# KiCad board Engine.kicad_pcb (continued)
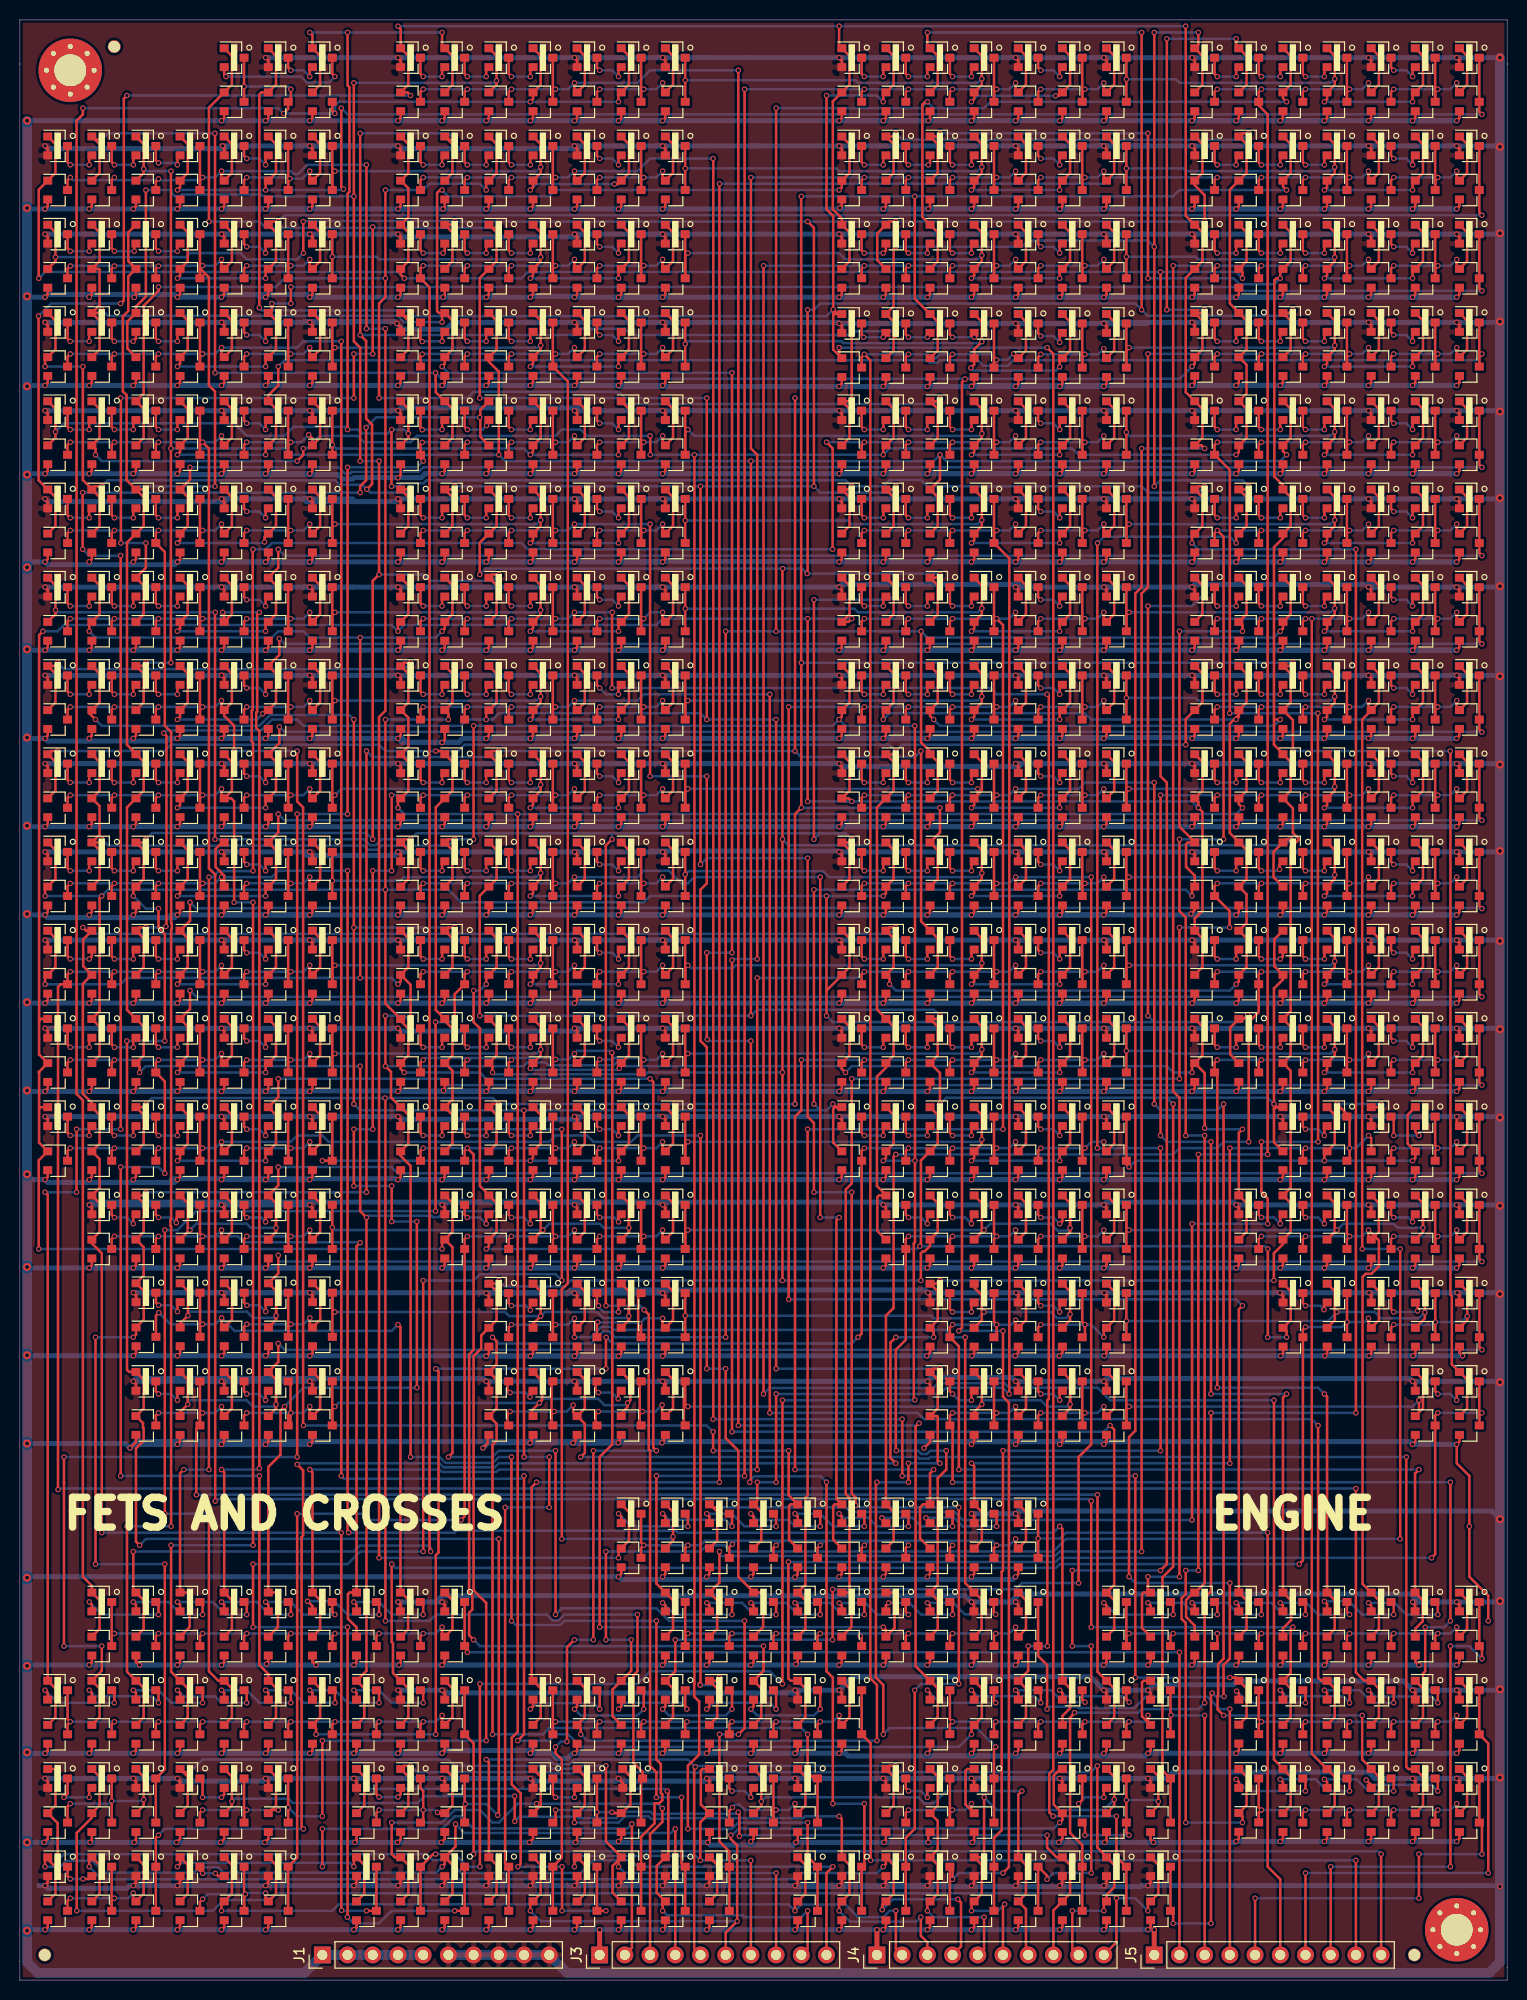
[diagram p0: board, top side]
## Routing (per net, layer and track width the routed paths; a pad name or vN(x,y) marks a point on that pad's centre or on a via; arc(x,y) is an arc through that point) (continued)
  Bottom w0.25: v1(20.32,38.1) 23.88,38.1 25.15,36.83 v1(27.3,36.83)
Net-(Q225-Pad3): length 10
  Top w0.25: Q229.2 16.15,37.83 v1(15.87,38.1) ; Q225.3 22.86,37.83 v1(22.86,36.83)
  Bottom w0.25: v1(15.87,38.1) 19.43,38.1 20.7,36.83 v1(22.86,36.83)
Net-(Q229-Pad3): length 10
  Top w0.25: v1(11.43,38.1) 11.7,37.83 Q230.2 ; Q229.3 18.41,37.83 v1(18.41,36.83)
  Bottom w0.25: v1(11.43,38.1) 14.99,38.1 16.26,36.83 v1(18.41,36.83)
Net-(Q230-Pad3): length 10
  Top w0.25: v1(6.99,38.1) 7.26,37.83 Q231.2 ; Q230.3 13.97,37.83 v1(13.97,36.83)
  Bottom w0.25: v1(6.99,38.1) 8.26,36.83 v1(13.97,36.83)
Net-(Q240-Pad3): length 6
  Top w0.25: v1(138.43,76.83) 138.16,77.1 Q240.3 ; 140.33,76.88 Q241.2 140.33,76.88 ; 140.33,76.88 v1(140.33,76.39)
  Bottom w0.25: 139.7,76.83 v1(138.43,76.83) 139.89,76.83 v1(140.33,76.39)
Net-(Q245-Pad3): length 4.6
  Top w0.25: v1(125.1,76.83) 124.83,77.1 Q245.3 ; Q246.2 127,76.88 v1(127,76.2)
  Bottom w0.25: v1(127,76.2) 126.36,76.83 v1(125.1,76.83)
Net-(Q246-Pad3): length 4.6
  Top w0.25: v1(129.54,76.83) 129.27,77.1 Q246.3 ; Q247.2 131.44,76.88 v1(131.44,76.2)
  Bottom w0.25: v1(131.44,76.2) 130.81,76.83 v1(129.54,76.83)
Net-(Q252-Pad3): length 6
  Top w0.25: v1(22.86,76.83) 22.59,77.1 Q252.3 ; 24.77,76.88 Q253.2 24.77,76.88 ; 24.77,76.88 v1(24.77,76.39)
  Bottom w0.25: 24.13,76.83 v1(22.86,76.83) 24.32,76.83 v1(24.77,76.39)
Net-(Q257-Pad3): length 4.6
  Top w0.25: v1(9.53,76.83) 9.26,77.1 Q257.3 ; Q258.2 11.43,76.88 v1(11.43,76.2)
  Bottom w0.25: v1(11.43,76.2) 10.79,76.83 v1(9.53,76.83)
Net-(Q258-Pad3): length 4.4
  Top w0.25: v1(13.97,76.83) 13.7,77.1 Q258.3 ; v1(15.77,76.31) 15.77,76.78 Q259.2
  Bottom w0.25: v1(15.77,76.31) 15.24,76.83 v1(13.97,76.83)
Net-(Q264-Pad3): length 6
  Top w0.25: v1(58.42,76.83) 58.15,77.1 Q264.3 ; 60.32,76.88 Q265.2 60.32,76.88 ; 60.32,76.88 v1(60.32,76.39)
  Bottom w0.25: 59.69,76.83 v1(58.42,76.83) 59.88,76.83 v1(60.32,76.39)
Net-(Q269-Pad3): length 4.6
  Top w0.25: v1(46.99,76.2) 46.99,76.88 Q270.2 ; v1(45.09,76.83) 44.81,77.1 Q269.3
  Bottom w0.25: v1(45.09,76.83) 46.35,76.83 v1(46.99,76.2)
Net-(Q270-Pad3): length 4.6
  Top w0.25: v1(51.43,76.2) 51.43,76.88 Q271.2 ; v1(49.53,76.83) 49.26,77.1 Q270.3
  Bottom w0.25: v1(51.43,76.2) 50.8,76.83 v1(49.53,76.83)
Net-(Q276-Pad3): length 5.4
  Top w0.25: v1(102.87,76.83) 102.6,77.1 Q276.3 ; Q277.2 104.78,76.88 Q277.2 ; Q277.2 105.05,76.47 v1(104.78,76.2)
  Bottom w0.25: v1(104.78,76.2) 104.14,76.83 v1(102.87,76.83)
Net-(Q281-Pad3): length 4.6
  Top w0.25: v1(89.54,76.83) 89.27,77.1 Q281.3 ; Q282.2 91.44,76.88 v1(91.44,76.2)
  Bottom w0.25: v1(91.44,76.2) 90.81,76.83 v1(89.54,76.83)
Net-(Q282-Pad3): length 4.6
  Top w0.25: v1(93.98,76.83) 93.71,77.1 Q282.3 ; Q283.2 95.89,76.88 v1(95.89,76.2)
  Bottom w0.25: v1(95.89,76.2) 95.25,76.83 v1(93.98,76.83)
Net-(Q288-Pad3): length 4.6
  Top w0.25: v1(24.78,67.35) 24.78,68.03 Q289.2 ; Q288.3 22.6,68.25 v1(22.87,67.98)
  Bottom w0.25: v1(22.87,67.98) 24.14,67.98 v1(24.78,67.35)
Net-(Q292-Pad3): length 4.6
  Top w0.25: v1(15.89,67.35) 15.89,68.03 Q293.2 ; Q292.3 13.71,68.26 v1(13.98,67.99)
  Bottom w0.25: v1(15.89,67.35) 15.24,67.99 v1(13.98,67.99)
Net-(Q298-Pad3): length 4.8
  Top w0.25: v1(60.32,67.31) 60.32,67.99 Q299.2 ; Q298.3 58.15,68.1 v1(58.3,67.94)
  Bottom w0.25: v1(58.3,67.94) 58.3,67.81 58.8,67.31 v1(60.32,67.31)
Net-(Q302-Pad3): length 4.3
  Top w0.25: Q302.3 49.26,68.21 v1(49.53,67.94) ; v1(51.43,67.5) 51.43,67.99 Q303.2
  Bottom w0.25: v1(51.43,67.5) 50.99,67.94 v1(49.53,67.94)
Net-(Q308-Pad3): length 4.6
  Top w0.25: v1(104.78,67.31) 104.78,67.99 Q309.2 ; Q308.3 102.6,68.21 v1(102.87,67.94)
  Bottom w0.25: v1(102.87,67.94) 104.14,67.94 v1(104.78,67.31)
Net-(Q312-Pad3): length 5
  Top w0.25: v1(93.98,67.31) 93.71,67.58 Q312.3 ; v1(95.89,67.31) 95.89,67.99 Q313.2
  Bottom w0.25: v1(93.98,67.31) v1(95.89,67.31)
Net-(Q318-Pad3): length 5.4
  Top w0.25: v1(138.43,67.31) 138.17,67.57 Q318.3 ; Q319.2 140.83,68.05 v1(140.83,67.42)
  Bottom w0.25: v1(138.43,67.31) 140.72,67.31 v1(140.83,67.42)
Net-(Q322-Pad3): length 4.3
  Top w0.25: Q323.2 131.41,67.95 v1(131.41,67.55) ; v1(129.54,67.94) 129.28,68.2 Q322.3
  Bottom w0.25: v1(129.54,67.94) 131.01,67.94 v1(131.41,67.55)
Net-(Q328-Pad3): length 4.6
  Top w0.25: v1(24.77,58.42) 24.77,59.1 Q329.2 ; Q328.3 22.59,59.32 v1(22.86,59.05)
  Bottom w0.25: v1(22.86,59.05) 24.13,59.05 v1(24.77,58.42)
Net-(Q332-Pad3): length 4.6
  Top w0.25: v1(15.87,58.42) 15.87,59.1 Q333.2 ; Q332.3 13.7,59.32 v1(13.97,59.05)
  Bottom w0.25: v1(13.97,59.05) 15.24,59.05 v1(15.87,58.42)
Net-(Q338-Pad3): length 4.6
  Top w0.25: v1(104.78,58.42) 104.78,59.1 Q339.2 ; Q338.3 102.6,59.32 v1(102.87,59.05)
  Bottom w0.25: v1(102.87,59.05) 104.14,59.05 v1(104.78,58.42)
Net-(Q342-Pad3): length 4.6
  Top w0.25: v1(95.89,58.42) 95.89,59.1 Q343.2 ; Q342.3 93.71,59.32 v1(93.98,59.05)
  Bottom w0.25: v1(95.89,58.42) 94.62,58.42 v1(93.98,59.05)
Net-(Q348-Pad3): length 4.7
  Top w0.25: 58.02,60.46 58.02,59.46 v1(58.29,59.19) ; v1(60.29,58.56) 60.29,59.35 60.46,59.51
  Bottom w0.25: v1(60.29,58.56) 59.66,59.19 v1(58.29,59.19)
Net-(Q352-Pad3): length 4.4
  Top w0.25: v1(49.4,59.19) 49.13,59.46 49.13,60.46 ; 51.57,59.51 51.4,59.35 v1(51.4,58.75)
  Bottom w0.25: v1(49.4,59.19) 50.96,59.19 v1(51.4,58.75)
Net-(Q356-Pad3): length 4.6
  Top w0.25: v1(142.88,59.05) 142.6,59.32 Q356.3 ; Q357.2 144.78,59.1 v1(144.78,58.42)
  Bottom w0.25: v1(144.78,58.42) 144.14,59.05 v1(142.88,59.05)
Net-(Q361-Pad3): length 5
  Top w0.25: v1(6.99,85.09) 6.99,85.77 Q362.2 ; Q361.3 4.81,85.36 v1(5.08,85.09)
  Bottom w0.25: v1(5.08,85.09) v1(6.99,85.09)
Net-(Q362-Pad3): length 5
  Top w0.25: v1(11.43,85.09) 11.43,85.77 Q363.2 ; Q362.3 9.26,85.36 v1(9.53,85.09)
  Bottom w0.25: v1(9.53,85.09) v1(11.43,85.09)
Net-(Q363-Pad3): length 5
  Top w0.25: v1(15.87,85.09) 15.87,85.77 Q364.2 ; Q363.3 13.7,85.36 v1(13.97,85.09)
  Bottom w0.25: v1(13.97,85.09) v1(15.87,85.09)
Net-(Q370-Pad3): length 4.6
  Top w0.25: v1(22.86,85.72) 22.59,85.99 Q370.3 ; Q371.2 24.77,85.77 v1(24.77,85.09)
  Bottom w0.25: v1(24.77,85.09) 24.13,85.72 v1(22.86,85.72)
Net-(Q375-Pad3): length 5
  Top w0.25: v1(42.54,85.09) 42.54,85.77 Q376.2 ; Q375.3 40.37,85.36 v1(40.64,85.09)
  Bottom w0.25: v1(40.64,85.09) v1(42.54,85.09)
Net-(Q376-Pad3): length 5
  Top w0.25: v1(46.99,85.09) 46.99,85.77 Q377.2 ; Q376.3 44.81,85.36 v1(45.09,85.09)
  Bottom w0.25: v1(45.09,85.09) v1(46.99,85.09)
Net-(Q377-Pad3): length 5
  Top w0.25: v1(51.43,85.09) 51.43,85.77 Q378.2 ; Q377.3 49.26,85.36 v1(49.53,85.09)
  Bottom w0.25: v1(49.53,85.09) v1(51.43,85.09)
Net-(Q384-Pad3): length 4.6
  Top w0.25: v1(58.42,85.72) 58.15,85.99 Q384.3 ; Q385.2 60.32,85.77 v1(60.32,85.09)
  Bottom w0.25: v1(60.32,85.09) 59.69,85.72 v1(58.42,85.72)
Net-(Q389-Pad3): length 5
  Top w0.25: v1(87,85.09) 87,85.77 Q390.2 ; Q389.3 84.82,85.36 v1(85.09,85.09)
  Bottom w0.25: v1(85.09,85.09) v1(87,85.09)
Net-(Q390-Pad3): length 5
  Top w0.25: v1(91.44,85.09) 91.44,85.77 Q391.2 ; Q390.3 89.27,85.36 v1(89.54,85.09)
  Bottom w0.25: v1(89.54,85.09) v1(91.44,85.09)
Net-(Q391-Pad3): length 5
  Top w0.25: v1(95.89,85.09) 95.89,85.77 Q392.2 ; Q391.3 93.71,85.36 v1(93.98,85.09)
  Bottom w0.25: v1(93.98,85.09) v1(95.89,85.09)
Net-(Q398-Pad3): length 4.6
  Top w0.25: v1(102.87,85.72) 102.6,85.99 Q398.3 ; Q399.2 104.78,85.77 v1(104.78,85.09)
  Bottom w0.25: v1(104.78,85.09) 104.14,85.72 v1(102.87,85.72)
Net-(Q404-Pad3): length 5.7
  Top w0.25: Q405.2 140.6,85.45 v1(140.97,85.09) ; Q404.3 138.43,86.72 v1(138.43,85.09)
  Bottom w0.25: v1(140.97,85.09) v1(138.43,85.09)
Net-(Q408-Pad3): length 4.6
  Top w0.25: v1(129.54,85.72) 129.27,85.99 Q408.3 ; Q409.2 131.44,85.77 v1(131.44,85.09)
  Bottom w0.25: v1(129.54,85.72) 130.81,85.72 v1(131.44,85.09)
Net-(Q413-Pad3): length 5
  Top w0.25: v1(87,102.87) 87,103.55 Q414.2 ; Q413.3 84.82,103.14 v1(85.09,102.87)
  Bottom w0.25: v1(85.09,102.87) v1(87,102.87)
Net-(Q414-Pad3): length 5
  Top w0.25: v1(91.44,102.87) 91.44,103.55 Q415.2 ; Q414.3 89.27,103.14 v1(89.54,102.87)
  Bottom w0.25: v1(89.54,102.87) v1(91.44,102.87)
Net-(Q415-Pad3): length 5
  Top w0.25: v1(95.89,102.87) 95.89,103.55 Q416.2 ; Q415.3 93.71,103.14 v1(93.98,102.87)
  Bottom w0.25: v1(93.98,102.87) v1(95.89,102.87)
Net-(Q422-Pad3): length 4.6
  Top w0.25: v1(102.87,103.5) 102.6,103.77 Q422.3 ; Q423.2 104.78,103.55 v1(104.78,102.87)
  Bottom w0.25: v1(104.78,102.87) 104.14,103.5 v1(102.87,103.5)
Net-(Q427-Pad3): length 5
  Top w0.25: v1(122.55,102.87) 122.55,103.55 Q428.2 ; Q427.3 120.38,103.14 v1(120.65,102.87)
  Bottom w0.25: v1(120.65,102.87) v1(122.55,102.87)
Net-(Q428-Pad3): length 5
  Top w0.25: Q428.3 124.83,103.14 v1(125.1,102.87) ; v1(127,102.87) 127.27,103.14 Q429.2
  Bottom w0.25: v1(125.1,102.87) v1(127,102.87)
Net-(Q429-Pad3): length 5
  Top w0.25: v1(131.44,102.87) 131.44,103.55 Q430.2 ; Q429.3 129.27,103.14 v1(129.54,102.87)
  Bottom w0.25: v1(129.54,102.87) v1(131.44,102.87)
Net-(Q436-Pad3): length 4.6
  Top w0.25: v1(138.43,103.5) 138.16,103.77 Q436.3 ; Q437.2 140.33,103.55 v1(140.33,102.87)
  Bottom w0.25: v1(140.33,102.87) 139.7,103.5 v1(138.43,103.5)
Net-(Q441-Pad3): length 5
  Top w0.25: v1(6.99,93.98) 6.99,94.66 Q442.2 ; Q441.3 4.81,94.25 v1(5.08,93.98)
  Bottom w0.25: v1(5.08,93.98) v1(6.99,93.98)
Net-(Q442-Pad3): length 5
  Top w0.25: v1(11.43,93.98) 11.43,94.66 Q443.2 ; Q442.3 9.26,94.25 v1(9.53,93.98)
  Bottom w0.25: v1(9.53,93.98) v1(11.43,93.98)
Net-(Q443-Pad3): length 5
  Top w0.25: v1(15.87,93.98) 15.87,94.66 Q444.2 ; Q443.3 13.7,94.25 v1(13.97,93.98)
  Bottom w0.25: v1(13.97,93.98) v1(15.87,93.98)
Net-(Q450-Pad3): length 4.6
  Top w0.25: v1(22.86,94.61) 22.59,94.88 Q450.3 ; Q451.2 24.77,94.66 v1(24.77,93.98)
  Bottom w0.25: v1(24.77,93.98) 24.13,94.61 v1(22.86,94.61)
Net-(Q455-Pad3): length 5
  Top w0.25: v1(42.54,93.98) 42.54,94.66 Q456.2 ; Q455.3 40.37,94.25 v1(40.64,93.98)
  Bottom w0.25: v1(40.64,93.98) v1(42.54,93.98)
Net-(Q456-Pad3): length 5
  Top w0.25: v1(46.99,93.98) 46.99,94.66 Q457.2 ; Q456.3 44.81,94.25 v1(45.09,93.98)
  Bottom w0.25: v1(45.09,93.98) v1(46.99,93.98)
Net-(Q457-Pad3): length 5
  Top w0.25: v1(51.43,93.98) 51.43,94.66 Q458.2 ; Q457.3 49.26,94.25 v1(49.53,93.98)
  Bottom w0.25: v1(49.53,93.98) v1(51.43,93.98)
Net-(Q464-Pad3): length 4.6
  Top w0.25: v1(58.42,94.61) 58.15,94.88 Q464.3 ; Q465.2 60.32,94.66 v1(60.32,93.98)
  Bottom w0.25: v1(60.32,93.98) 59.69,94.61 v1(58.42,94.61)
Net-(Q469-Pad3): length 5
  Top w0.25: v1(87,93.98) 87,94.66 Q470.2 ; Q469.3 84.82,94.25 v1(85.09,93.98)
  Bottom w0.25: v1(85.09,93.98) v1(87,93.98)
Net-(Q470-Pad3): length 5
  Top w0.25: v1(91.44,93.98) 91.44,94.66 Q471.2 ; Q470.3 89.27,94.25 v1(89.54,93.98)
  Bottom w0.25: v1(89.54,93.98) v1(91.44,93.98)
Net-(Q471-Pad3): length 5
  Top w0.25: v1(95.89,93.98) 95.89,94.66 Q472.2 ; Q471.3 93.71,94.25 v1(93.98,93.98)
  Bottom w0.25: v1(93.98,93.98) v1(95.89,93.98)
Net-(Q478-Pad3): length 4.6
  Top w0.25: v1(102.87,94.61) 102.6,94.88 Q478.3 ; Q479.2 104.78,94.66 v1(104.78,93.98)
  Bottom w0.25: v1(104.78,93.98) 104.14,94.61 v1(102.87,94.61)
Net-(Q483-Pad3): length 5
  Top w0.25: v1(122.55,93.98) 122.55,94.66 Q484.2 ; Q483.3 120.38,94.25 v1(120.65,93.98)
  Bottom w0.25: v1(120.65,93.98) v1(122.55,93.98)
Net-(Q484-Pad3): length 5
  Top w0.25: v1(127,93.98) 127,94.66 Q485.2 ; Q484.3 124.83,94.25 v1(125.1,93.98)
  Bottom w0.25: v1(125.1,93.98) v1(127,93.98)
Net-(Q485-Pad3): length 5
  Top w0.25: v1(131.44,93.98) 131.44,94.66 Q486.2 ; Q485.3 129.27,94.25 v1(129.54,93.98)
  Bottom w0.25: v1(129.54,93.98) v1(131.44,93.98)
Net-(Q492-Pad3): length 4.6
  Top w0.25: v1(138.43,94.61) 138.16,94.88 Q492.3 ; Q493.2 140.33,94.66 v1(140.33,93.98)
  Bottom w0.25: v1(140.33,93.98) 139.7,94.61 v1(138.43,94.61)
Net-(Q497-Pad3): length 5
  Top w0.25: v1(87,120.65) 87,121.33 Q498.2 ; Q497.3 84.82,120.92 v1(85.09,120.65)
  Bottom w0.25: v1(85.09,120.65) v1(87,120.65)
Net-(Q498-Pad3): length 5
  Top w0.25: v1(91.44,120.65) 91.44,121.33 Q499.2 ; Q498.3 89.27,120.92 v1(89.54,120.65)
  Bottom w0.25: v1(89.54,120.65) v1(91.44,120.65)
Net-(Q499-Pad3): length 5
  Top w0.25: v1(95.89,120.65) 95.89,121.33 Q500.2 ; Q499.3 93.71,120.92 v1(93.98,120.65)
  Bottom w0.25: v1(93.98,120.65) v1(95.89,120.65)
Net-(Q506-Pad3): length 4.6
  Top w0.25: v1(102.87,121.28) 102.6,121.55 Q506.3 ; Q507.2 104.78,121.33 v1(104.78,120.65)
  Bottom w0.25: v1(104.78,120.65) 104.14,121.28 v1(102.87,121.28)
Net-(Q511-Pad3): length 5
  Top w0.25: v1(122.55,120.65) 122.55,121.33 Q512.2 ; Q511.3 120.38,120.92 v1(120.65,120.65)
  Bottom w0.25: v1(120.65,120.65) v1(122.55,120.65)
Net-(Q512-Pad3): length 5
  Top w0.25: v1(127,120.65) 127,121.33 Q513.2 ; Q512.3 124.83,120.92 v1(125.1,120.65)
  Bottom w0.25: v1(125.1,120.65) v1(127,120.65)
Net-(Q513-Pad3): length 5
  Top w0.25: v1(131.44,120.65) 131.44,121.33 Q514.2 ; Q513.3 129.27,120.92 v1(129.54,120.65)
  Bottom w0.25: v1(129.54,120.65) v1(131.44,120.65)
Net-(Q520-Pad3): length 4.6
  Top w0.25: v1(138.43,121.28) 138.16,121.55 Q520.3 ; Q521.2 140.33,121.33 v1(140.33,120.65)
  Bottom w0.25: v1(140.33,120.65) 139.7,121.28 v1(138.43,121.28)
Net-(Q525-Pad3): length 5
  Top w0.25: v1(42.54,111.76) 42.54,112.44 Q526.2 ; Q525.3 40.37,112.03 v1(40.64,111.76)
  Bottom w0.25: v1(40.64,111.76) v1(42.54,111.76)
Net-(Q526-Pad3): length 5
  Top w0.25: v1(46.99,111.76) 46.99,112.44 Q527.2 ; Q526.3 44.81,112.03 v1(45.09,111.76)
  Bottom w0.25: v1(45.09,111.76) v1(46.99,111.76)
Net-(Q527-Pad3): length 5
  Top w0.25: v1(51.43,111.76) 51.43,112.44 Q528.2 ; Q527.3 49.26,112.03 v1(49.53,111.76)
  Bottom w0.25: v1(49.53,111.76) v1(51.43,111.76)
Net-(Q534-Pad3): length 4.6
  Top w0.25: v1(58.42,112.39) 58.15,112.66 Q534.3 ; Q535.2 60.32,112.44 v1(60.32,111.76)
  Bottom w0.25: v1(60.32,111.76) 59.69,112.39 v1(58.42,112.39)
Net-(Q539-Pad3): length 5
  Top w0.25: v1(87,111.76) 87,112.44 Q540.2 ; Q539.3 84.82,112.03 v1(85.09,111.76)
  Bottom w0.25: v1(85.09,111.76) v1(87,111.76)
Net-(Q540-Pad3): length 5
  Top w0.25: v1(91.44,111.76) 91.44,112.44 Q541.2 ; Q540.3 89.27,112.03 v1(89.54,111.76)
  Bottom w0.25: v1(89.54,111.76) v1(91.44,111.76)
Net-(Q541-Pad3): length 5
  Top w0.25: v1(95.89,111.76) 95.89,112.44 Q542.2 ; Q541.3 93.71,112.03 v1(93.98,111.76)
  Bottom w0.25: v1(93.98,111.76) v1(95.89,111.76)
Net-(Q548-Pad3): length 4.6
  Top w0.25: v1(102.87,112.39) 102.6,112.66 Q548.3 ; Q549.2 104.78,112.44 v1(104.78,111.76)
  Bottom w0.25: v1(104.78,111.76) 104.14,112.39 v1(102.87,112.39)
Net-(Q553-Pad3): length 5
  Top w0.25: Q553.3 4.81,103.14 v1(5.08,102.87) ; v1(6.98,102.87) 7.26,103.14 Q554.2
  Bottom w0.25: v1(6.98,102.87) 6.98,102.87 v1(5.08,102.87)
Net-(Q554-Pad3): length 5
  Top w0.25: v1(11.43,102.87) 11.43,103.55 Q555.2 ; Q554.3 9.26,103.14 v1(9.53,102.87)
  Bottom w0.25: v1(9.53,102.87) v1(11.43,102.87)
Net-(Q555-Pad3): length 5
  Top w0.25: v1(15.87,102.87) 15.87,103.55 Q556.2 ; Q555.3 13.7,103.14 v1(13.97,102.87)
  Bottom w0.25: v1(13.97,102.87) v1(15.87,102.87)
Net-(Q562-Pad3): length 4.6
  Top w0.25: v1(22.86,103.5) 22.59,103.77 Q562.3 ; Q563.2 24.77,103.55 v1(24.77,102.87)
  Bottom w0.25: v1(24.77,102.87) 24.13,103.5 v1(22.86,103.5)
Net-(Q567-Pad3): length 5
  Top w0.25: v1(42.54,102.87) 42.54,103.55 Q568.2 ; Q567.3 40.37,103.14 v1(40.64,102.87)
  Bottom w0.25: v1(40.64,102.87) v1(42.54,102.87)
Net-(Q568-Pad3): length 5
  Top w0.25: v1(46.99,102.87) 46.99,103.55 Q569.2 ; Q568.3 44.81,103.14 v1(45.09,102.87)
  Bottom w0.25: v1(45.09,102.87) v1(46.99,102.87)
Net-(Q569-Pad3): length 5
  Top w0.25: v1(51.43,102.87) 51.43,103.55 Q570.2 ; Q569.3 49.26,103.14 v1(49.53,102.87)
  Bottom w0.25: v1(49.53,102.87) v1(51.43,102.87)
Net-(Q576-Pad3): length 4.6
  Top w0.25: v1(58.42,103.5) 58.15,103.77 Q576.3 ; Q577.2 60.32,103.55 v1(60.32,102.87)
  Bottom w0.25: v1(60.32,102.87) 59.69,103.5 v1(58.42,103.5)
Net-(Q581-Pad3): length 5
  Top w0.25: v1(6.99,111.76) 6.99,112.44 Q582.2 ; Q581.3 4.81,112.03 v1(5.08,111.76)
  Bottom w0.25: v1(5.08,111.76) v1(6.99,111.76)
Net-(Q582-Pad3): length 5
  Top w0.25: v1(11.43,111.76) 11.43,112.44 Q583.2 ; Q582.3 9.26,112.03 v1(9.53,111.76)
  Bottom w0.25: v1(9.53,111.76) v1(11.43,111.76)
Net-(Q583-Pad3): length 5
  Top w0.25: v1(15.87,111.76) 15.87,112.44 Q584.2 ; Q583.3 13.7,112.03 v1(13.97,111.76)
  Bottom w0.25: v1(13.97,111.76) v1(15.87,111.76)
Net-(Q590-Pad3): length 4.6
  Top w0.25: v1(22.86,112.39) 22.59,112.66 Q590.3 ; Q591.2 24.77,112.44 v1(24.77,111.76)
  Bottom w0.25: v1(24.77,111.76) 24.13,112.39 v1(22.86,112.39)
Net-(Q595-Pad3): length 5
  Top w0.25: v1(122.55,111.76) 122.55,112.44 Q596.2 ; Q595.3 120.38,112.03 v1(120.65,111.76)
  Bottom w0.25: v1(120.65,111.76) v1(122.55,111.76)
Net-(Q596-Pad3): length 4.9
  Top w0.25: Q596.3 124.83,112.03 v1(125.1,111.76) ; v1(126.92,111.9) 126.92,112.37 Q597.2
  Bottom w0.25: v1(126.92,111.9) 126.79,111.76 v1(125.1,111.76)
Net-(Q597-Pad3): length 5
  Top w0.25: v1(131.44,111.76) 131.44,112.44 Q598.2 ; Q597.3 129.27,112.03 v1(129.54,111.76)
  Bottom w0.25: v1(129.54,111.76) v1(131.44,111.76)
Net-(Q604-Pad3): length 4.6
  Top w0.25: v1(138.43,112.39) 138.16,112.66 Q604.3 ; Q605.2 140.33,112.44 v1(140.33,111.76)
  Bottom w0.25: v1(140.33,111.76) 139.7,112.39 v1(138.43,112.39)
Net-(Q609-Pad3): length 5
  Top w0.25: v1(42.54,120.65) 42.54,121.33 Q610.2 ; Q609.3 40.37,120.92 v1(40.64,120.65)
  Bottom w0.25: v1(40.64,120.65) v1(42.54,120.65)
Net-(Q610-Pad3): length 5
  Top w0.25: v1(46.99,120.65) 46.99,121.33 Q611.2 ; Q610.3 44.81,120.92 v1(45.09,120.65)
  Bottom w0.25: v1(45.09,120.65) v1(46.99,120.65)
Net-(Q611-Pad3): length 5
  Top w0.25: v1(51.43,120.65) 51.43,121.33 Q612.2 ; Q611.3 49.26,120.92 v1(49.53,120.65)
  Bottom w0.25: v1(49.53,120.65) v1(51.43,120.65)
Net-(Q618-Pad3): length 4.6
  Top w0.25: v1(58.42,121.28) 58.15,121.55 Q618.3 ; Q619.2 60.32,121.33 v1(60.32,120.65)
  Bottom w0.25: v1(60.32,120.65) 59.69,121.28 v1(58.42,121.28)
Net-(Q623-Pad3): length 5
  Top w0.25: v1(6.99,138.43) 6.99,139.12 Q624.2 ; Q623.3 4.81,138.7 v1(5.08,138.43)
  Bottom w0.25: v1(5.08,138.43) v1(6.99,138.43)
Net-(Q624-Pad3): length 5
  Top w0.25: v1(11.43,138.43) 11.43,139.12 Q625.2 ; Q624.3 9.26,138.7 v1(9.53,138.43)
  Bottom w0.25: v1(9.53,138.43) v1(11.43,138.43)
Net-(Q625-Pad3): length 5
  Top w0.25: v1(15.87,138.43) 15.87,139.12 Q626.2 ; Q625.3 13.7,138.7 v1(13.97,138.43)
  Bottom w0.25: v1(13.97,138.43) v1(15.87,138.43)
Net-(Q632-Pad3): length 4.6
  Top w0.25: v1(22.86,139.06) 22.59,139.33 Q632.3 ; Q633.2 24.77,139.12 v1(24.77,138.43)
  Bottom w0.25: v1(24.77,138.43) 24.13,139.06 v1(22.86,139.06)
Net-(Q637-Pad3): length 5
  Top w0.25: v1(42.54,138.43) 42.54,139.12 Q638.2 ; Q637.3 40.37,138.7 v1(40.64,138.43)
  Bottom w0.25: v1(40.64,138.43) v1(42.54,138.43)
Net-(Q638-Pad3): length 5
  Top w0.25: v1(46.99,138.43) 46.99,139.12 Q639.2 ; Q638.3 44.81,138.7 v1(45.09,138.43)
  Bottom w0.25: v1(45.09,138.43) v1(46.99,138.43)
Net-(Q639-Pad3): length 5
  Top w0.25: v1(51.43,138.43) 51.43,139.12 Q640.2 ; Q639.3 49.26,138.7 v1(49.53,138.43)
  Bottom w0.25: v1(49.53,138.43) v1(51.43,138.43)
Net-(Q646-Pad3): length 4.6
  Top w0.25: v1(58.42,139.06) 58.15,139.33 Q646.3 ; Q647.2 60.32,139.12 v1(60.32,138.43)
  Bottom w0.25: v1(60.32,138.43) 59.69,139.06 v1(58.42,139.06)
Net-(Q651-Pad3): length 5
  Top w0.25: v1(87,138.43) 87,139.12 Q652.2 ; Q651.3 84.82,138.7 v1(85.09,138.43)
  Bottom w0.25: v1(85.09,138.43) v1(87,138.43)
Net-(Q652-Pad3): length 5
  Top w0.25: v1(91.44,138.43) 91.44,139.12 Q653.2 ; Q652.3 89.27,138.7 v1(89.54,138.43)
  Bottom w0.25: v1(89.54,138.43) v1(91.44,138.43)
Net-(Q653-Pad3): length 5
  Top w0.25: v1(95.89,138.43) 95.89,139.12 Q654.2 ; Q653.3 93.71,138.7 v1(93.98,138.43)
  Bottom w0.25: v1(93.98,138.43) v1(95.89,138.43)
Net-(Q660-Pad3): length 4.6
  Top w0.25: v1(102.87,139.06) 102.6,139.33 Q660.3 ; Q661.2 104.78,139.12 v1(104.78,138.43)
  Bottom w0.25: v1(104.78,138.43) 104.14,139.06 v1(102.87,139.06)
Net-(Q665-Pad3): length 5
  Top w0.25: v1(122.55,138.43) 122.55,139.12 Q666.2 ; Q665.3 120.38,138.7 v1(120.65,138.43)
  Bottom w0.25: v1(120.65,138.43) v1(122.55,138.43)
Net-(Q666-Pad3): length 5
  Top w0.25: v1(127,138.43) 127,139.12 Q667.2 ; Q666.3 124.83,138.7 v1(125.1,138.43)
  Bottom w0.25: v1(125.1,138.43) v1(127,138.43)
Net-(Q667-Pad3): length 5
  Top w0.25: v1(131.44,138.43) 131.44,139.12 Q668.2 ; Q667.3 129.27,138.7 v1(129.54,138.43)
  Bottom w0.25: v1(129.54,138.43) v1(131.44,138.43)
Net-(Q674-Pad3): length 4.6
  Top w0.25: v1(138.43,139.06) 138.16,139.33 Q674.3 ; Q675.2 140.33,139.12 v1(140.33,138.43)
  Bottom w0.25: v1(140.33,138.43) 139.7,139.06 v1(138.43,139.06)
Net-(Q679-Pad3): length 5
  Top w0.25: v1(6.99,129.54) 6.99,130.22 Q680.2 ; Q679.3 4.81,129.81 v1(5.08,129.54)
  Bottom w0.25: v1(5.08,129.54) v1(6.99,129.54)
Net-(Q680-Pad3): length 5
  Top w0.25: v1(11.43,129.54) 11.43,130.22 Q681.2 ; Q680.3 9.26,129.81 v1(9.53,129.54)
  Bottom w0.25: v1(9.53,129.54) v1(11.43,129.54)
Net-(Q681-Pad3): length 5
  Top w0.25: v1(15.87,129.54) 15.87,130.22 Q682.2 ; Q681.3 13.7,129.81 v1(13.97,129.54)
  Bottom w0.25: v1(13.97,129.54) v1(15.87,129.54)
Net-(Q688-Pad3): length 4.6
  Top w0.25: v1(22.86,130.17) 22.59,130.44 Q688.3 ; Q689.2 24.77,130.22 v1(24.77,129.54)
  Bottom w0.25: v1(24.77,129.54) 24.13,130.17 v1(22.86,130.17)
Net-(Q693-Pad3): length 5
  Top w0.25: v1(42.54,129.54) 42.54,130.22 Q694.2 ; Q693.3 40.37,129.81 v1(40.64,129.54)
  Bottom w0.25: v1(40.64,129.54) v1(42.54,129.54)
Net-(Q694-Pad3): length 5
  Top w0.25: v1(46.99,129.54) 46.99,130.22 Q695.2 ; Q694.3 44.81,129.81 v1(45.09,129.54)
  Bottom w0.25: v1(45.09,129.54) v1(46.99,129.54)
Net-(Q695-Pad3): length 5
  Top w0.25: v1(51.43,129.54) 51.43,130.22 Q696.2 ; Q695.3 49.26,129.81 v1(49.53,129.54)
  Bottom w0.25: v1(49.53,129.54) v1(51.43,129.54)
Net-(Q702-Pad3): length 4.6
  Top w0.25: v1(58.42,130.17) 58.15,130.44 Q702.3 ; Q703.2 60.32,130.22 v1(60.32,129.54)
  Bottom w0.25: v1(60.32,129.54) 59.05,129.54 v1(58.42,130.17)
Net-(Q707-Pad3): length 5
  Top w0.25: v1(87,129.54) 87,130.22 Q708.2 ; Q707.3 84.82,129.81 v1(85.09,129.54)
  Bottom w0.25: v1(85.09,129.54) v1(87,129.54)
Net-(Q708-Pad3): length 5
  Top w0.25: v1(91.44,129.54) 91.44,130.22 Q709.2 ; Q708.3 89.27,129.81 v1(89.54,129.54)
  Bottom w0.25: v1(89.54,129.54) v1(91.44,129.54)
Net-(Q709-Pad3): length 5
  Top w0.25: v1(95.89,129.54) 95.89,130.22 Q710.2 ; Q709.3 93.71,129.81 v1(93.98,129.54)
  Bottom w0.25: v1(93.98,129.54) v1(95.89,129.54)
Net-(Q716-Pad3): length 4.6
  Top w0.25: v1(102.87,130.17) 102.6,130.44 Q716.3 ; Q717.2 104.78,130.22 v1(104.78,129.54)
  Bottom w0.25: v1(104.78,129.54) 104.14,130.17 v1(102.87,130.17)
Net-(Q721-Pad3): length 5
  Top w0.25: v1(122.55,129.54) 122.55,130.22 Q722.2 ; Q721.3 120.38,129.81 v1(120.65,129.54)
  Bottom w0.25: v1(120.65,129.54) v1(122.55,129.54)
Net-(Q722-Pad3): length 5
  Top w0.25: v1(127,129.54) 127,130.22 Q723.2 ; Q722.3 124.83,129.81 v1(125.1,129.54)
  Bottom w0.25: v1(125.1,129.54) v1(127,129.54)
Net-(Q723-Pad3): length 5
  Top w0.25: v1(131.44,129.54) 131.44,130.22 Q724.2 ; Q723.3 129.27,129.81 v1(129.54,129.54)
  Bottom w0.25: v1(129.54,129.54) v1(131.44,129.54)
Net-(Q730-Pad3): length 4.6
  Top w0.25: v1(138.43,130.17) 138.16,130.44 Q730.3 ; Q731.2 140.33,130.22 v1(140.33,129.54)
  Bottom w0.25: v1(140.33,129.54) 139.7,130.17 v1(138.43,130.17)
Net-(Q735-Pad3): length 5
  Top w0.25: v1(6.99,120.65) 6.99,121.33 Q736.2 ; Q735.3 4.81,120.92 v1(5.08,120.65)
  Bottom w0.25: v1(5.08,120.65) v1(6.99,120.65)
Net-(Q736-Pad3): length 5
  Top w0.25: v1(11.43,120.65) 11.43,121.33 Q737.2 ; Q736.3 9.26,120.92 v1(9.53,120.65)
  Bottom w0.25: v1(9.53,120.65) v1(11.43,120.65)
Net-(Q737-Pad3): length 5
  Top w0.25: v1(15.87,120.65) 15.87,121.33 Q738.2 ; Q737.3 13.7,120.92 v1(13.97,120.65)
  Bottom w0.25: v1(13.97,120.65) v1(15.87,120.65)
Net-(Q744-Pad3): length 4.6
  Top w0.25: v1(22.86,121.28) 22.59,121.55 Q744.3 ; Q745.2 24.77,121.33 v1(24.77,120.65)
  Bottom w0.25: v1(24.77,120.65) 24.13,121.28 v1(22.86,121.28)
Net-(Q749-Pad3): length 5
  Top w0.25: v1(87,156.21) 87,156.89 Q750.2 ; Q749.3 84.82,156.48 v1(85.09,156.21)
  Bottom w0.25: v1(85.09,156.21) v1(87,156.21)
Net-(Q750-Pad3): length 5
  Top w0.25: v1(91.44,156.21) 91.44,156.89 Q751.2 ; Q750.3 89.27,156.48 v1(89.54,156.21)
  Bottom w0.25: v1(89.54,156.21) v1(91.44,156.21)
Net-(Q751-Pad3): length 5
  Top w0.25: v1(95.89,156.21) 95.89,156.89 Q752.2 ; Q751.3 93.71,156.48 v1(93.98,156.21)
  Bottom w0.25: v1(93.98,156.21) v1(95.89,156.21)
Net-(Q758-Pad3): length 4.6
  Top w0.25: v1(102.87,156.84) 102.6,157.12 Q758.3 ; Q759.2 104.78,156.89 v1(104.78,156.21)
  Bottom w0.25: v1(104.78,156.21) 104.14,156.84 v1(102.87,156.84)
Net-(Q763-Pad3): length 5
  Top w0.25: v1(122.55,156.21) 122.55,156.89 Q764.2 ; Q763.3 120.38,156.48 v1(120.65,156.21)
  Bottom w0.25: v1(120.65,156.21) v1(122.55,156.21)
Net-(Q764-Pad3): length 5
  Top w0.25: v1(127,156.21) 127,156.89 Q765.2 ; Q764.3 124.83,156.48 v1(125.1,156.21)
  Bottom w0.25: v1(125.1,156.21) v1(127,156.21)
Net-(Q765-Pad3): length 5
  Top w0.25: v1(131.44,156.21) 131.44,156.89 Q766.2 ; Q765.3 129.27,156.48 v1(129.54,156.21)
  Bottom w0.25: v1(129.54,156.21) v1(131.44,156.21)
